# Altium PCB Enigma Rev A.PcbDoc (part 2 of 7) (continued)
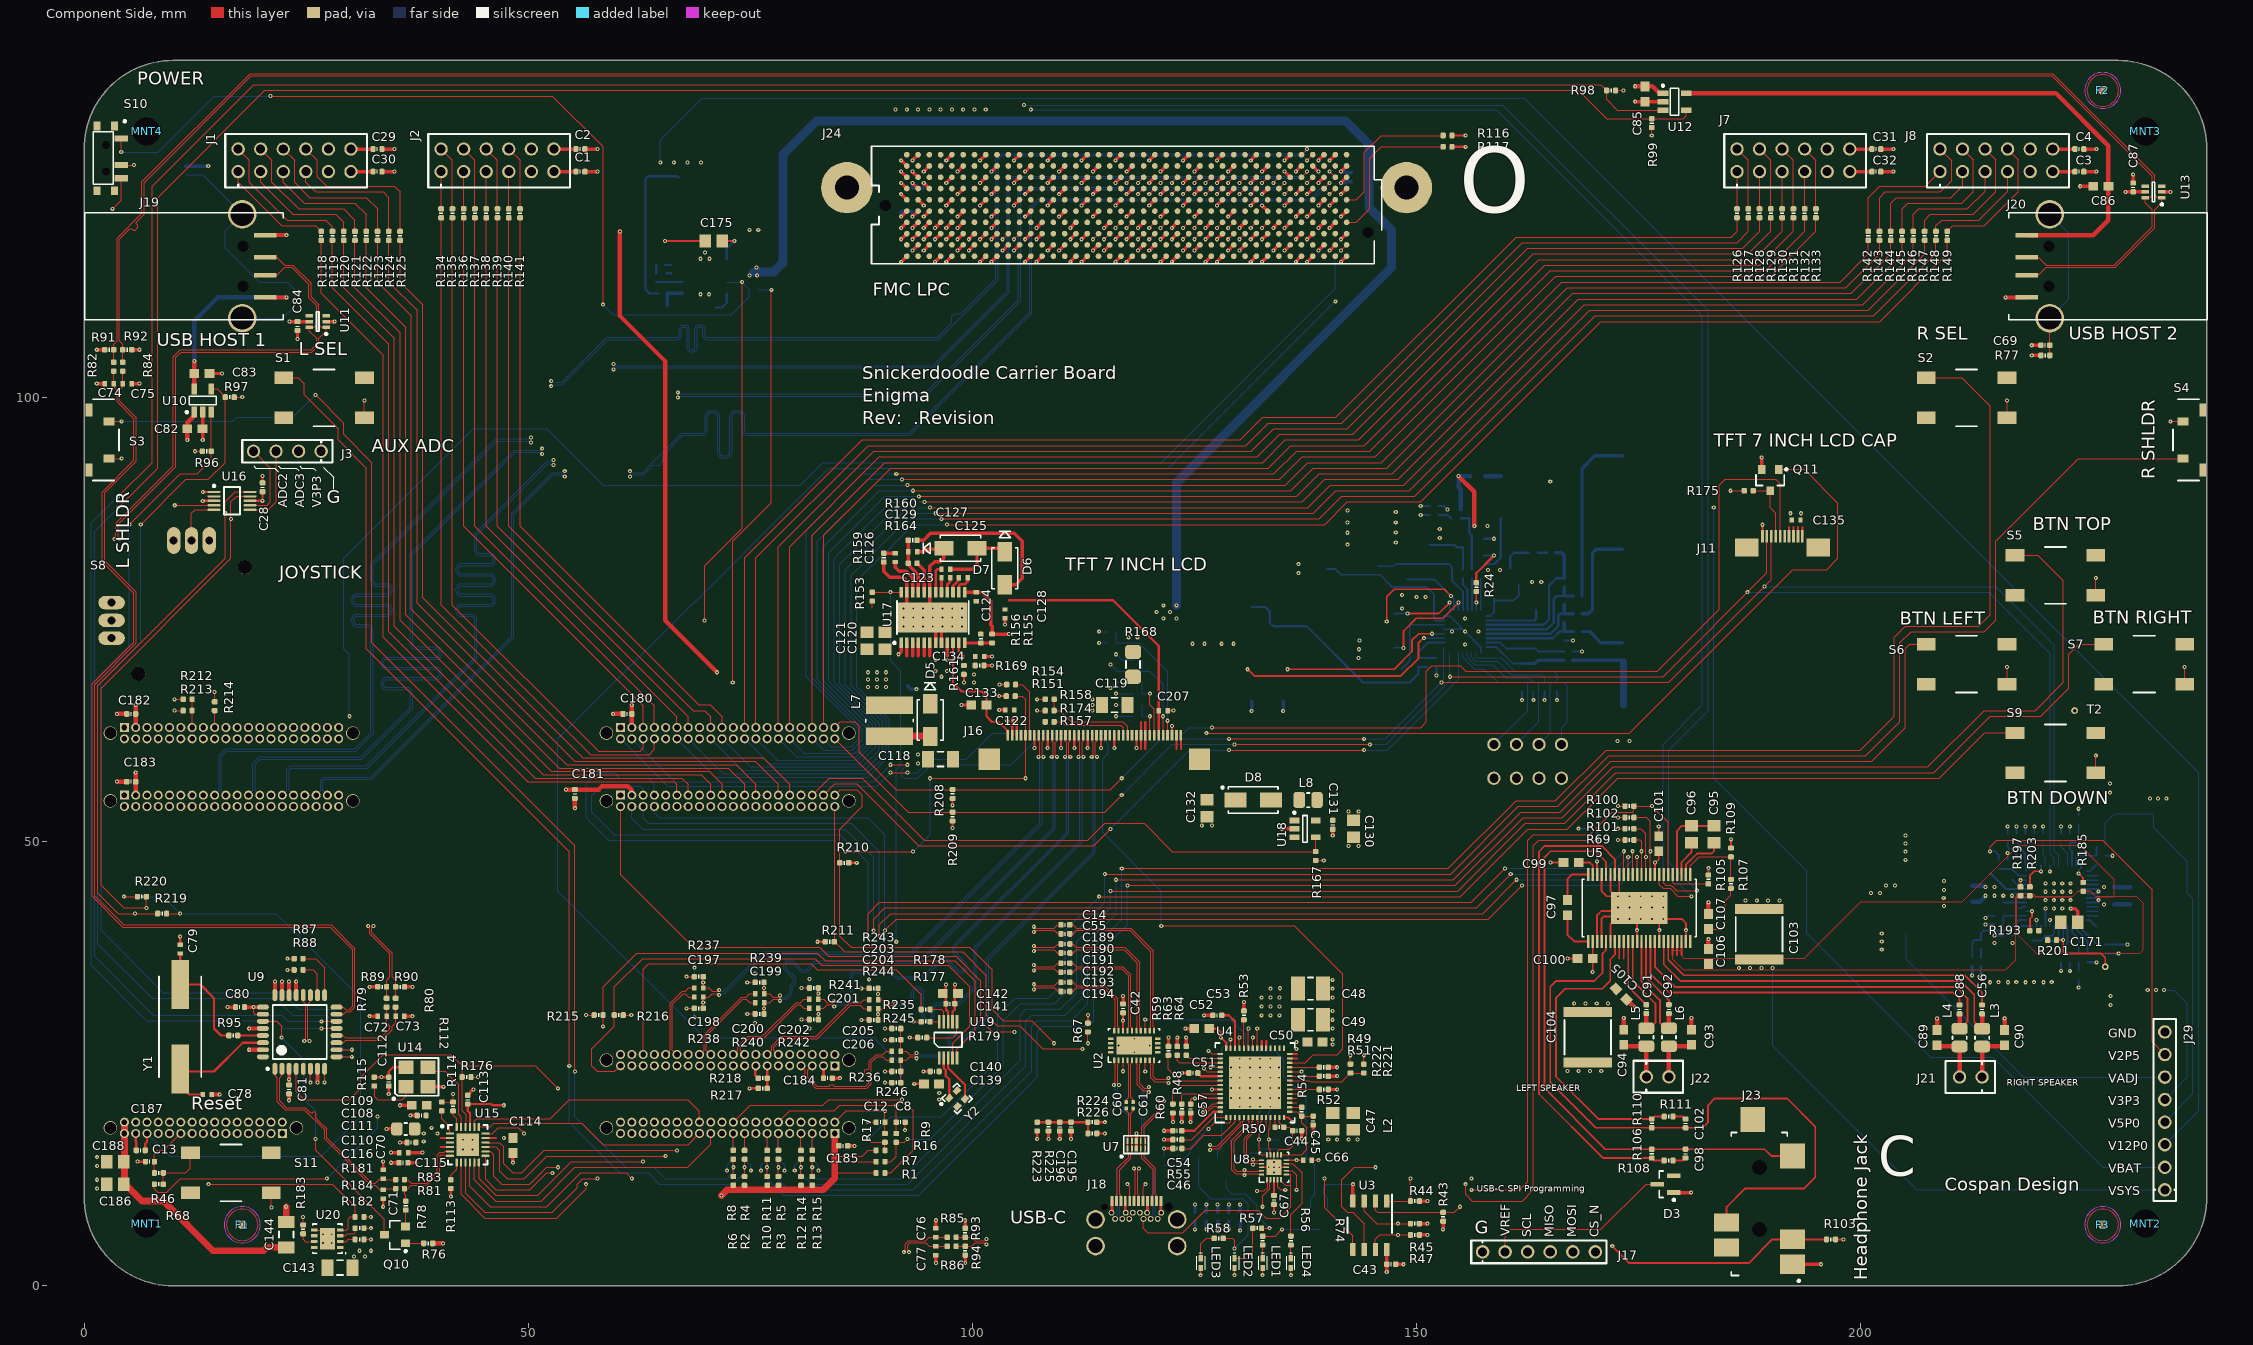
[diagram p0: Component Side view]
## Footprints (in the part's own frame and the unit in brackets; to place one, negate y for a bottom-side part, rotate by r counter-clockwise, add the part's x,y. Pads: shape width x height; smd on the part's side, far side on the other; paste and mask are expansions set on the pad) (continued)
  silkscreen extent -0.83,-1.55 0.82,1.55
SMA [mil]
  rect 86x64 smd: 1(-73,0) 2(73,0)
  silkscreen extent -165,-58 91,58
"SOIC-8 - TI" [mm]
  rrect17% 1.45x0.6 smd: 1(-2.725,1.905) 2(-2.725,0.635) 3(-2.725,-0.635) 4(-2.725,-1.905) 5(2.725,-1.905) 6(2.725,-0.635) 7(2.725,0.635) 8(2.725,1.905)
  silkscreen extent -3.5,-2.5 0.9,2.5
SON65P300X80_HS-9N [mm] "SON, 8-Leads, Body 3.00x3.00mm, Pitch 0.65mm, Thermal Pad 2.40x1.70mm, IPC Medium Density"
  rect 0.75x0.35 smd mask+0: 1(-1.465,0.975) 2(-1.465,0.325) 3(-1.465,-0.325) 4(-1.465,-0.975) 5(1.465,-0.975) 6(1.465,-0.325) 7(1.465,0.325) 8(1.465,0.975)
  rect 1.7x2.4 smd mask+0: 9(0,0)
  silkscreen extent -2.1,-1.65 1.65,1.7
SOT23 [mm] "SOT23, 3-Leads, Body 3.0x2.6mm (max), Pitch 0.95mm, IPC Medium Density"
  rect 1.55x0.55 smd: 1(-0.925,0.95) 2(-0.925,-0.95) 3(0.925,0)
  silkscreen extent -1.05,-1.5 0.7,1.9
SOT95P280X90-5N [mm] "SOT23, 5-Leads, Body 3.0x2.8mm (max), Pitch 0.95mm, IPC Medium Density"
  rect 1.22x0.6 smd: 1(-1.31,0.95) 2(-1.31,0) 3(-1.31,-0.95) 4(1.31,-0.95) 5(1.31,0.95)
  silkscreen extent -1.43,-1.5 0.48,1.92
SOT-23A [mm] "SOT-23; 3 Leads; Body 3.1 x 2.5 mm, inc. leads (LxW max)"
  rect 0.85x1 smd: 1(0.95,1.2) 2(-0.95,1.2) 3(0,-1.2)
  silkscreen extent -1.6,-0.6 1.95,1.33
SRN6045 [mm]
  rect 2x6 smd: 1(-2.15,0) 2(2.15,0)
  silkscreen extent -0.82,-3 0.82,3
TACTILE_1571563_2 [mm] "SWITCH TACTILE SPST-NO 0.05A 24V"
  rect 2.1x1.4 smd: 1(-4.55,2.25) 2(4.55,2.25) 3(-4.55,-2.25) 4(4.55,-2.25)
  silkscreen extent -1.2,-3.2 1.2,3.2
TestPointSmall [mil]
  round 30 hole 15 mask+0: 1(0,0)
TFM11501-X-D-A [mil]
  rect 40x40 / inner round 25 / far side rect 40x40 hole 25 paste+10: 1(-350,-25)
  round 40 / inner round 25 / far side round 40 hole 25 paste+10: 2(-350,25) 3(-300,-25) 4(-300,25) 5(-250,-25) 6(-250,25) 7(-200,-25) 8(-200,25) 9(-150,-25) 10(-150,25) 11(-100,-25) 12(-100,25) 13(-50,-25) 14(-50,25) 15(0,-25) 16(0,25) 17(50,-25) 18(50,25) 19(100,-25) 20(100,25) 21(150,-25) 22(150,25) 23(200,-25) 24(200,25) 25(250,-25) 26(250,25) 27(300,-25) 28(300,25) 29(350,-25) 30(350,25)
  round 53 / inner round 60 / far side round 60 hole 53: 41(-412.58,0) 42(412.58,0)
  silkscreen extent -387,-67 387,87
TFM12001-X-D-A [mil]
  rect 40x40 / inner round 25 / far side rect 40x40 hole 25 paste+10: 1(-475,-25)
  round 40 / inner round 25 / far side round 40 hole 25 paste+10: 2(-475,25) 3(-425,-25) 4(-425,25) 5(-375,-25) 6(-375,25) 7(-325,-25) 8(-325,25) 9(-275,-25) 10(-275,25) 11(-225,-25) 12(-225,25) 13(-175,-25) 14(-175,25) 15(-125,-25) 16(-125,25) 17(-75,-25) 18(-75,25) 19(-25,-25) 20(-25,25) 21(25,-25) 22(25,25) 23(75,-25) 24(75,25) 25(125,-25) 26(125,25) 27(175,-25) 28(175,25) 29(225,-25) 30(225,25) 31(275,-25) 32(275,25) 33(325,-25) 34(325,25) 35(375,-25) 36(375,25) 37(425,-25) 38(425,25) 39(475,-25) 40(475,25)
  round 53 / inner round 60 / far side round 60 hole 53: 41(-537.58,0) 42(537.58,0)
  silkscreen extent -512,-67 512,87
TI-DGS10_L [mm] "SOP, 10-Leads, Body 3.1x3.1mm, Pitch 0.5mm, IPC High Density"
  oval 1.45x0.25 smd mask+0: 1(-2.025,1) 2(-2.025,0.5) 3(-2.025,0) 4(-2.025,-0.5) 5(-2.025,-1) 6(2.025,-1) 7(2.025,-0.5) 8(2.025,0) 9(2.025,0.5) 10(2.025,1)
  silkscreen extent -2.15,-1.55 0.9,1.8
TL3330AF130QG [mm] "SWITCH TACTILE SPST-NO 0.05A 12V"
  rect 0.9x1.27 smd: 1(-2.1,0.86) 2(2.1,0.86)
  rect 1.45x0.8 smd: M(-3.375,-1.4) M(3.375,-1.4)
  silkscreen extent -4.57,-0.95 4.57,2
TVS_DIODE_USB3.0-10 [mm] "USB3.0_TVS_ARRAY"
  rect 0.675x0.2 smd mask+0: 1(-0.437,1) 2(-0.437,0.5) 4(-0.437,-0.5) 5(-0.437,-1) 6(0.437,-1) 7(0.437,-0.5) 9(0.437,0.5) 10(0.437,1)
  rect 0.675x0.4 smd mask+0: 3(-0.437,0) 8(0.437,0)
  silkscreen extent -1.45,-1.38 1,1.8
USB_A [mm] "USB A Male"
  rect 0.5x2.5 smd: 1(3.5,2.6) 2(1,2.6) 3(-1,2.6) 4(-3.5,2.6)
  round 3.2 hole 2.6: S1(-5.85,0) S2(5.85,0)
  round 0 hole 1.25 unplated: ""(-2.25,0.075) ""(2.25,0.075)
  silkscreen extent -6.05,-17.75 6.05,4.6
VF32_L [mm] "Thin QFP, 32-Leads, Body 7x7mm, Pitch 0.8mm, IPC High Density"
  oval 1.35x0.55 smd mask+0: 1(-4.15,2.8) 2(-4.15,2) 3(-4.15,1.2) 4(-4.15,0.4) 5(-4.15,-0.4) 6(-4.15,-1.2) 7(-4.15,-2) 8(-4.15,-2.8) 17(4.15,-2.8) 18(4.15,-2) 19(4.15,-1.2) 20(4.15,-0.4) 21(4.15,0.4) 22(4.15,1.2) 23(4.15,2) 24(4.15,2.8)
  oval 0.55x1.35 smd mask+0: 9(-2.8,-4.15) 10(-2,-4.15) 11(-1.2,-4.15) 12(-0.4,-4.15) 13(0.4,-4.15) 14(1.2,-4.15) 15(2,-4.15) 16(2.8,-4.15) 25(2.8,4.15) 26(2,4.15) 27(1.2,4.15) 28(0.4,4.15) 29(-0.4,4.15) 30(-1.2,4.15) 31(-2,4.15) 32(-2.8,4.15)
  silkscreen extent -4.27,-3.05 3.05,3.75
XTAL_2.0X1.6MM [mm] "UU_XTAL_2.0X1.6MMsity"
  rect 0.65x0.8 smd mask+0: 1(-0.65,-0.6) 2(0.65,-0.6) 3(0.65,0.6) 4(-0.65,0.6)
  silkscreen extent -1.23,-1.82 1.23,1.2

## Part data
C1 C2 C3 C4 C5 C6 C7 C8 C9 C10 C11 C12 C13 C14 C17 C20 C21 C24 C28 C29 C30 C31 C32 C42 C43 C55 C67 C81 C84 C87 C108 C110 C112 C113 C115 C122 C131 C135 C140 C141 C145 C151 C157 C163 C180 C181 C182 C183 C184 C185 C187 C189 C190 C191 C192 C193 C194 C196 C197 C198 C199 C200 C201 C202 C203 C204 C205 C206: library part C_0402_0.1UF_16V, "CAP CER .10UF 16V X7R 0402"
C15 C16 C25 C33 C39 C40 C41 C105 C106: "CAP CER 0.1UF 50V X7R 0603"
C19 C22 C47 C95 C96: library part C_0805_1.0uF_50V, "CAP CER 1UF 50V X7R 0805"
C23 C116: "CAP CER 2.2UF 35V 20% X5R 0402"
C26 C27 C36 C37 C118 C119 C143 C144: library part C_1206_10UF_25V, "CAP CER 10UF 25V X5R 1206"
C34: library part C_0402_100PF, "CAP CER 100PF 50V 5% C0G 0402"
C35: "1.5µF ±10% 25V Ceramic Capacitor X7R 0805 (2012 Metric)"
C38 C70 C71 C72 C73 C74 C75 C76 C77 C78 C79: library part C_0402_22PF_50V, "CAP CER 22PF 50V NP0 0402"
C44 C45 C98 C102: library part C_0402_220PF_50V, "CAP CER 220PF 50V 10% X7R 0402"
C46 C56 C88 C91 C92 C123 C124 C125 C129 C207: "CAP CER 0.22UF 50V X5R 0402"
C48 C49: library part C_1210_22µF, "CAP CER 22UF 25V 20% X5R 1210"
C50 C109 C114 C139 C142: library part C_0603_4.7uF_10V, "CAP CER 4.7UF 10V X5R 0603"
C51 C57 C66 C136 C137 C138 C195: library part C_0402_1.0UF_16V, "CAP CER 1.0UF 16V X5R 0402"
C52: "CAP CER 10UF 16V X5R 0603"
C53 C54: library part C_0402_2.2UF, "CAP CER 2.2UF 6.3V X5R 0402"
C58 C59 C60 C61: library part C_0201_0.1UF, "CAP CER 0.1UF 6.3V 10% X5R 0201"
C62 C63 C64 C65 C68 C69: library part C_0402_10000PF_50V, "CAP CERAMIC .01UF 50V X7R 0402"
C80 C126 C134: library part C_0402_1000PF_50V, "CAP CER 1000PF 50V C0G 0402"
C82 C83 C85 C86 C97 C99 C100 C101 C107: library part C_0603_1.0uF_16V, "CAP CER 1UF 16V 10% X7R 0603"
C89 C90 C93 C94: "CAP CER 0.68UF 25V X5R 0603"
C103 C104: library part C_2220_10UF_50V, "CAP CER 10UF 50V X7R 20% 2220"
C111: library part C_0805_10UF_10V, "CAP CER 10UF 10V 10% X5R 0805"
C117: library part C_0402_6.8PF_50V, "CAP CER 6.8PF 50V NP0 0402"
C120 C121 C147 C153 C159 C165: library part C_0805_10UF_16V, "CAP CER 10uF 16V X5R 20% 0805"
C127 C128: library part C_0402_0.022UF, "CAP CER 22000PF 16V X7R 0402"
C130: library part C_0805_10UF_6.3V, "CAP CER 10UF 6.3V X7R 10% 0805"
C133: "CAP CER 1UF 16V X7R 0603"
C146 C152 C158 C164 C169 C170 C174 C186 C188: "CAP CER 22UF 35V X5R 0805"
C149 C155: "CAP CER 36PF 50V NP0 0402"
C150 C156 C162 C168: "CAP CER 0.068UF 25V X7R 0402"
C161: library part C_0402_12PF_50V, "CAP CER 12PF 50V 5% C0G 0402"
C167: library part C_0402_47p_50V, "CAP CER 47PF 50V 5% C0G 0402"
C171 C172 C173 C176: library part C_0805_4.7µF_25V, "CAP CER 4.7UF 25V 10% X5R 0805"
C175: library part C_0805_0.1uF_25V, "CAP CER 1UF 50V X7R 0805"
C177: library part C_0402_82PF_50V, "CAP CER 82PF 50V 5% C0G 0402"
C178: library part C_0402_8.2PF_50V, "CAP CER 8.2PF 50V NP0 0402"
C179: "CAP CER 3900PF 50V X7R 0402"
D1 D2: library part D_SCHOTT_BAT54, "DIODE SCHOTTKY 30V 200MA SOT-23"
D3: library part D_SCHOTTKY_40V_SOT23, "DIODE SCHOTTKY 40V 500MA SOT23-3"
D4: "Diode Schottky 30V 2A (DC) Surface Mount 2-DSN (1.6x.80)"
D5 D6 D7: "DIODE SCHOTTKY 40V 3A SMA"
D8: library part D_SCHOTT_B1100-13-F, "DIODE SCHOTTKY 100V 1A SMA"
D9: "SCHOTTKY RECT 40V 1A SOD123F"
F1 F2 F3: library part F_FUDICIAL
J1 J2 J7 J8: library part J_PMOD, "CONN FEMALE 12POS DL .1\" R/A TIN"
J3 J9 J28: "CONN HEADER .100\" 4POS TIN PCB"
J11: "CONN FFC BOTTOM 10POS 0.50MM R/A"
J12 J13 J14 J15: "CONN HEADER PH SIDE 2POS 2MM SMD"
J16: "CONN FPC BOTTOM 40POS 0.50MM R/A"
J17: "CONN HEADER .100\" 12POS TIN PCB"
J18: "CONN RCPT USB C TOP MNT HYBRID"
J19 J20: "CONN PLUG USB A 4POS SMD R/A"
J21 J22: "CONN HEADER .100\" 2POS TIN PCB"
J23: library part J_HEADPHONE_JACK, "CONN AUDIO JACK 3.5MM 4COND SMD"
J24: library part J_ASP-134486-01, "CONN SNGL-END ARRAY FMALE 400POS"
J29: library part J_HDR1X8_THRHOLE_VERT_FEMALE, "CONN HEADER FEMALE 8POS .1\" TIN"
L1: "2.2µH Shielded Molded Inductor 5A 37.7 mOhm Max"
L2: "FERRITE BEAD 21 OHM 0805 1LN"
L3 L4 L5 L6 L8: library part L_0806_22uH, "INDUCTOR 22UH 10% 0806 SMD"
L7: library part L_4.70UH_1.72A_SMD, "INDUCTOR POWER 4.7UH 1.72A SMD"
L9 L10 L11 L12: "FIXED IND 4.7UH 5A 41 MOHM SMD"
L13: "FIXED IND 15UH 1.9A 95.8 MOHM"
LED1: "LED 1X0.5MM 570NM GN WTR CLR SMD"
LED2: "LED 1X0.5MM 470NM BL WTR CLR SMD"
LED3: "LED 1X0.5MM 601NM ORN WTRCLR SMD"
LED4: "LED 1X0.5MM 630NM RD WTR CLR SMD"
MNT1 MNT2 MNT3 MNT4: library part MNT_440_HOLE
Q1 Q2 Q4 Q5 Q6: library part Q_N-CH_8SON_60A_9.5mOHM, "MOSFET N-CH 25V 60A 8-SON"
Q3 Q7 Q8 Q9 Q11: library part Q_NFET_3.50A_SOT23, "MOSFET N-CH 20V 3.5A SOT23-3"
Q10: library part Q_NPN_40MA_HFE_1000, "TRANS NPN 40V 50MA MINI3"
R1 R4 R5 R8 R9 R11 R14 R15 R17 R24 R46 R62 R63 R64 R67 R69 R70 R73 R87 R88 R100 R101 R102 R103 R104 R105 R106 R110 R116 R117 R151 R153 R154 R157 R167 R175 R176 R180 R181 R185 R189 R193 R197 R201 R203 R204 R212 R213 R214 R217 R218 R221 R222 R227 R228 R229 R230 R231 R232 R233 R234 R235 R236 R237 R238 R239 R240 R241 R242 R243 R244 R245 R246: "RES 10.0K OHM 1/16W 1% 0402 SMD"
R2 R3 R6 R7 R10 R12 R13 R16 R60 R68 R113 R115 R163 R165 R166 R173 R174 R182 R183: "RES SMD 100K OHM 1% 1/16W 0402"
R18 R19 R26: "RES SMD 10M OHM 1% 1/16W 0402"
R20: "RES 10.0 OHM 1/16W 1% 0402 SMD"
R21 R25 R29 R31: "RES 100 OHM 1/16W 1% 0402 SMD"
R22 R23 R30: library part R_0402_5.11K, "RES 5.11K OHM 1/10W 1% 0402 SMD"
R27: "RES 100K OHM 1/16W 1% 0402 SMD"
R28: library part R_0402_1.00, "RES 1.00 OHM 1/16W 1% 0402 SMD"
R32: "RES SMD 10 OHM 1% 1/4W 1206"
R33 R35 R50 R54 R112: library part R_0402_0.00, "RES SMD 0.0OHM JUMPER 1/10W 0402"
R34: "RES SMD 0.005 OHM 1% 1W 1206"
R36: library part R_0.010SENSE_LK20, "RES SMD 0.01 OHM 1% 2W 1224"
R37: "RES SMD 330K OHM 1% 1/16W 0402"
R38 R39 R40 R41: "NTC Thermistor 10k 0402 (1005 Metric)"
R42: "RES SMD 26.1K OHM 1% 1/16W 0402"
R43 R44 R45 R47 R59: library part R_0402_3.3K, "RES 3.30K OHM 1/10W 1% 0402 SM"
R48 R76 R78 R89 R90 R91 R92 R93 R94 R95 R97 R99 R159: "RES 15.0K OHM 1/10W 1% 0402 SMD"
R49 R51 R52 R53 R55 R61 R65 R66 R71 R72 R75 R77: library part R_0402_1.0M, "RES 1.00M OHM 1/16W 1% 0402 SMD"
R56 R57 R58 R74 R96 R98 R158 R162 R170 R171 R172: library part R_0402_1.0K, "RES 1.00K OHM 1/16W 1% 0402 SMD"
R79 R80 R81 R82 R83 R84 R85 R86: "RES SMD 30 OHM 1% 1/10W 0402"
R107: "RES 68.1K OHM 1/10W 1% 0402 SMD"
R108 R111 R152: library part R_0402_5.6K, "RES 5.60K OHM 1/10W 1% 0402 SMD"
R109: library part R_0402_18.0K, "RES SMD 18K OHM 1% 1/16W 0402"
R114: "RES 8.06K OHM 1/16W 1% 0402 SMD"
R118 R119 R120 R121 R122 R123 R124 R125 R126 R127 R128 R129 R130 R131 R132 R133 R134 R135 R136 R137 R138 R139 R140 R141 R142 R143 R144 R145 R146 R147 R148 R149: "RES 200 OHM 1/10W 1% 0402 SMD"
R150 R164: "RES SMD 41.2K OHM 1% 1/16W 0402"
R155: "Res Thick Film 0402 68K Ohm 1% 0.1W(1/10W) ±100ppm/°C Molded SMD Automotive Punched T/R"
R156: "RES 49.9K OHM 1/16W 1% 0402 SMD"
R160: "RES 200K OHM 1/16W 1% 0402 SMD"
R161: "RES SMD 732K OHM 1% 1/16W 0402"
R168: "RES SMD 2 OHM 1% 1/4W 1206"
R169: "RES SMD 499K OHM 1% 1/16W 0402"
R177 R178 R179: "RES 33.0 OHM 1/16W 1% 0402 SMD"
R184: library part R_0402_110K, "RES 110K OHM 1/10W 1% 0402 SMD"
R186: "RES SMD 9.53K OHM 1% 1/16W 0402"
R187: "RES SMD 118K OHM 1% 1/16W 0402"
R188 R192 R196 R200: "RES 22.0K OHM 1/10W 1% 0402 SMD"
R190: "RES SMD 6.49K OHM 1% 1/16W 0402"
R191: "RES 69.8K OHM 1/16W 1% 0402 SMD"
R194 R198 R205: "RES SMD 10.2K OHM 1% 1/16W 0402"
R195: "RES 36.0K OHM 1/10W 1% 0402 SMD"
R199: "RES 47.0K OHM 1/10W 1% 0402 SMD"
R206: "RES SMD 732 OHM 1% 1/16W 0402"
R207: "RES 7.87K OHM 1/16W 1% 0402 SMD"
R208 R209 R210 R211 R215 R216 R219 R220: library part R_0402_2.2K, "RES 2.20K OHM 1/10W 1% 0402 SMD"
R223: "RES SMD 2.2K OHM 1% 1/10W 0402"
R224 R226: "RES 49.9 OHM 1/16W 1% 0402 SMD"
R225: library part R_0402_1.5K, "RES 1.50K OHM 1/10W 1% 0402 SMD"
S1 S2 S5 S6 S7 S9 S11: "SWITCH TACTILE SPST-NO 0.05A 24V"
S3 S4: "SWITCH TACTILE SPST-NO 0.05A 12V"
S10: library part S_MICRO_SLIDE_SWITCH_ON_OFF, "SWITCH SLIDE SPDT 300MA 6V"
T1 T2: "OSCILLOSCOPE TEST POINT"
U1: "IC BATTERY MANAGER 32VQFN"
U2: "IC MUX/DEMUX 4CH TYPE C2 28WQFN"
U3: "3V, 8Mbit, Serial Flash Memory with Dual and Qual SPI, SOIC-8"
U4: library part U_TPS65981ABQWRWERQ1, "USB, Type-C Controller PMIC 56-QFN (8x8)"
U5: "IC AUDIO AMP DGTL D 48HTSSOP"
U6 U7: library part U_SP3010-04UTG, "TVS ARRAY ESD 4CH .45PF 8KV UDFN"
U8: "USB Type C Interface Protector: Short-to-VBUS Over Voltage and IEC 61000-4-2 ESD Protection, RUK0020B"
U9: "IC 2/3-PORT USB HUB 32-LQFP"
U10 U12: library part U_NCP361SNT1G, "IC USB POS OVP/OCP 5TSOP"
U11 U13: library part U_USB_TVS_SCV70, "TVS DIODE 5VWM 25VC SC70-6"
U14: "24MHz CMOS XO (Standard) Oscillator"
U15: "IC TXRX USB FLEXPWR 24QFN"
U16: "IC ADC 12BIT I2C W/REF 10-MSOP"
U17: "IC LCD SUPPLY TFT QUAD 24HTSSOP"
U18: "IC DRVR WT/OLED BCKLT SOT23-5"
U19: library part U_SI5351, "IC CLK GENERATOR 200MHZ 10MSOP"
U20: "IC LOAD SWITCH CURR LIMIT 8-MLP"
U21: "IC REG BUCK ADJ 4A/2A QD 48VQFN"
U22: "IC REG BUCK ADJ 3.5A 8SOPWRPAD"
Y1: library part Y_SMD_6.00MHZ_18PF, "CRYSTAL 6.0000MHZ 18PF SMD"
Y2: library part Y_XTAL_27MHZ_SMD, "XTAL 27.00 MHZ 6PF 150OHM 20PPM 2.0X1.6MM"

## Via types
v1: diameter 0.457, hole 0.203, Component Side to Solder Side, tented top, 1032 vias
v2: diameter 0.5, hole 0.2, Component Side to Solder Side, 55 vias
v3: diameter 0.457, hole 0.203, Component Side to Solder Side, 9 vias
v4: diameter 0.5, hole 0.2, Component Side to Solder Side, tented both sides, 6 vias

## Nets (pads, with @x,y where several pads share a name; then routed paths per layer and width w, separated by ;. In a path a pad name is that pad's centre, name@x,y a point inside that pad or via, vN(x,y) a via of type N, cw(c..) or ccw(c..) an arc to the next point about the centre after c; other vN are vias at no path point)
ACFET: R30.1 U1.29 | length 3.8
  Solder Side w0.203: R30.1@155.271,79.679 155.271,78.929 155.771,78.429 U1.29@155.771,76.079
ADC_READY: U16.2
ALERT: J5.37 U1.14 | length 85.7
  Component Side w0.127: J5.37@83.251,55.245 84.521,56.515 86.995,56.515 93.98,49.53 113.665,49.53 v1(115.57,51.435) ; v1(128.905,60.325) v1(144.145,60.325)
  Solder Side w0.127: v1(115.57,51.435) 124.46,60.325 v1(128.905,60.325) ; v1(144.145,60.325) 146.726,60.325 154.771,68.37 U1.14@154.771,71.279
AUDIO_GVDD: C107.2 R107.1 U5.48 | length 6.5
  Component Side w0.127: C107.2@182.908,40.167 184.305,40.167 184.813,40.675 184.813,43.342 185.448,43.977 R107.1@185.448,44.755
AUX_N: J5.12 R226.2 U4.55 | length 87.2
  Component Side w0.127: v1(126,19.531) 126,19.596 126.1,19.696 126.646,19.696 127.173,20.223 127.464,20.223 127.587,20.1 U4.55@127.95,20.1
  Component Side w0.254: R226.2@114.03,17.145 v1(114.935,17.145)
  Inner Layer 1 w0.127: v1(114.935,17.145) 115.443,17.653 116.691,17.653 117.199,18.161 121.17,18.161 122.705,19.696 125.835,19.696 v1(126,19.531)
  Inner Layer 2 w0.127: J5.12@66.741,53.975 67.249,53.467 67.249,47.962 74.063,41.148 93.218,41.148 102.743,31.623 102.743,22.882 107.972,17.653 114.427,17.653 v1(114.935,17.145)
AUX_P: J5.14 R224.1 U4.54 | length 86.8
  Component Side w0.127: v1(126,20.115) 126,20.05 126.1,19.95 126.541,19.95 127.068,20.477 127.464,20.477 127.587,20.6 U4.54@127.95,20.6
  Component Side w0.254: R224.1@114.03,18.415 v1(114.935,18.415)
  Inner Layer 1 w0.127: v1(114.935,18.415) 115.443,17.907 116.586,17.907 117.094,18.415 121.065,18.415 122.6,19.95 125.835,19.95 v1(126,20.115)
  Inner Layer 2 w0.127: J5.14@68.011,53.975 67.503,53.467 67.503,48.067 74.168,41.402 93.323,41.402 102.997,31.728 102.997,22.987 108.077,17.907 114.427,17.907 v1(114.935,18.415)
BTN_BOTTOM: C12.2 J26.2 R17.1 | length 8.7
  Component Side w0.127: J26.2@84.521,18.415 85.791,19.685 v1(90.17,19.685) C12.2@90.17,18.415 R17.1@90.17,17.145
BTN_LEFT: C10.2 J26.7 R14.1 | length 3.8
  Component Side w0.127: R14.1@80.711,15.24 J26.7@80.711,17.145
  Solder Side w0.127: C10.2@80.711,15.24 J26.7@80.711,17.145
BTN_LEFT_SEL: C5.2 J26.17 R4.1 | length 3.8
  Component Side w0.127: R4.1@74.361,15.24 J26.17@74.361,17.145
  Solder Side w0.127: C5.2@74.361,15.24 J26.17@74.361,17.145
BTN_LEFT_SHLDR: C7.2 J26.19 R8.1 | length 3.8
  Component Side w0.127: R8.1@73.091,15.24 J26.19@73.091,17.145
  Solder Side w0.127: C7.2@73.091,15.24 J26.19@73.091,17.145
BTN_RIGHT: C11.2 J26.5 R15.1 | length 3.8
  Component Side w0.127: R15.1@81.981,15.24 J26.5@81.981,17.145
  Solder Side w0.127: C11.2@81.981,15.24 J26.5@81.981,17.145
BTN_RIGHT_SEL: C6.2 J26.11 R5.1 | length 3.8
  Component Side w0.127: R5.1@78.171,15.24 J26.11@78.171,17.145
  Solder Side w0.127: C6.2@78.171,15.24 J26.11@78.171,17.145
BTN_RIGHT_SHLDR: C8.2 J26.12 R9.1 | length 17.2
  Component Side w0.127: J26.12@78.171,18.415 79.441,19.685 84.455,19.685 85.09,20.32 v1(91.44,20.32) C8.2@91.44,18.415 R9.1@91.44,17.145
BTN_TOP: C9.2 J26.13 R11.1 | length 3.8
  Component Side w0.127: R11.1@76.901,15.24 J26.13@76.901,17.145
  Solder Side w0.127: C9.2@76.901,15.24 J26.13@76.901,17.145
C_CC1: C44.2 R50.2 U4.13 U8.12 | length 6.5
  Component Side w0.127: U8.12@134.385,14.735 134.385,15.135 134.6,15.35 135.7,15.35 136.1,15.75 C44.2@136.1,17.45 135.7,17.85 R50.2@135.1,17.85 134.6,18.35 U4.13@134.6,18.95
C_CC2: C45.2 R54.2 U4.15 U8.11 | length 10
  Component Side w0.127: U8.11@134.785,14.735 137.085,14.735 137.7,15.35 137.7,17.762 137.1,18.362 R54.2@137.1,19.1 ; U4.15@135.75,19.6 136.55,19.6 137.05,19.1 R54.2@137.1,19.1 ; C45.2@138.4,19.1 R54.2@137.1,19.1
C_USB_B_N: J18.B7 U4.9 U8.16 | length 28.6
  Component Side w0.127: U8.16@132.585,14.135 132.222,14.135 132.148,14.062 131.8,14.062 v1(131.635,14.227) 131.47,14.062 131.188,14.062 130.9,14.35 130.9,16.468 132.477,18.045 132.477,18.464 132.6,18.587 U4.9@132.6,18.95
  Inner Layer 1 w0.127: J18.B7@118.087,8.215 118.36,8.488 118.36,9.148 116.586,10.922 116.586,13.313 117.335,14.062 131.47,14.062 v1(131.635,14.227)
C_USB_B_P: J18.B6 U4.8 U8.17 | length 28.6
  Component Side w0.127: U4.8@132.1,18.95 132.1,18.587 132.223,18.464 132.223,18.15 130.646,16.573 130.646,14.245 131.083,13.808 131.47,13.808 v1(131.635,13.643) 131.8,13.808 132.148,13.808 132.222,13.735 U8.17@132.585,13.735
  Inner Layer 1 w0.127: J18.B6@118.887,8.215 118.614,8.488 118.614,9.253 116.84,11.027 116.84,13.208 117.44,13.808 131.47,13.808 v1(131.635,13.643)
C_USB_T_N: J18.A7 U4.7 U8.19 | length 26.9
  Component Side w0.127: J18.A7@118.737,9.525 118.737,10.154 118.614,10.276 118.614,13.043 v1(118.779,13.208) ; U4.7@131.6,18.95 131.6,18.587 131.477,18.464 131.477,18.245 129.5,16.268 129.5,13.15 129.788,12.862 130.48,12.862 v1(130.645,13.027) 130.81,12.862 132.148,12.862 132.222,12.935 U8.19@132.585,12.935
  Inner Layer 1 w0.127: v1(118.779,13.208) 118.614,13.043 118.614,12.704 118.999,12.319 127.635,12.319 128.178,12.862 130.48,12.862 v1(130.645,13.027)
C_USB_T_P: J18.A6 U4.6 U8.20 | length 27.7
  Component Side w0.127: v1(118.195,13.208) 118.36,13.043 118.36,10.276 118.237,10.154 J18.A6@118.237,9.525 ; U4.6@131.1,18.95 131.1,18.587 131.223,18.464 131.223,18.35 129.246,16.373 129.246,13.045 129.683,12.608 130.48,12.608 v1(130.645,12.443) 130.81,12.608 132.148,12.608 132.222,12.535 U8.20@132.585,12.535
  Inner Layer 1 w0.127: v1(118.195,13.208) 118.36,13.043 118.36,12.599 118.819,12.139 118.894,12.065 127.74,12.065 127.815,12.139 128.283,12.608 130.48,12.608 v1(130.645,12.443)
CC1: J18.A5 U8.4 U8.7 | length 26.6
  Component Side w0.127: v1(117.475,11.43) 117.737,11.168 J18.A5@117.737,9.525 ; U8.4@134.385,11.935 134.385,11.157 134.747,10.795 v1(135.255,10.795) ; U8.7@135.385,12.935 136.036,12.935 136.525,12.446 v1(136.525,10.795)
  Inner Layer 1 w0.127: v1(117.475,11.43) 118.745,10.16 134.62,10.16 v1(135.255,10.795) v1(136.525,10.795)
CC2: J18.B5 U8.5 U8.6 | length 25.4
  Component Side w0.127: J18.B5@119.287,7.515 119.287,6.443 119.761,5.969 123.698,5.969 126.238,8.509 132.207,8.509 133.096,7.62 134.62,7.62 135.89,8.89 135.89,11.303 ; U8.5@134.785,11.935 134.785,11.773 135.255,11.303 135.89,11.303 ; U8.6@135.385,12.535 135.801,12.535 135.89,12.446 135.89,11.303
CLK0_M2C_N: J6.35 J24.H5 | length 173.9
  Component Side w0.127: J24.H5@137.081,124.841 v1(137.716,125.476)
  Inner Layer 1 w0.127: J6.35@26.101,62.865 26.609,63.373 26.609,65.786 26.609,75.794 26.609,77.724 cw(c27.181,77.724) 27.181,78.296 27.963,78.296 ccw(c27.963,78.626) 28.293,78.626 28.293,78.854 ccw(c27.963,78.854) 27.963,79.185 25.509,79.185 cw(c25.509,79.769) 24.925,79.769 24.925,79.997 cw(c25.509,79.997) 25.509,80.582 27.963,80.582 ccw(c27.963,80.912) 28.293,80.912 28.293,81.14 ccw(c27.963,81.14) 27.963,81.471 25.509,81.471 cw(c25.509,82.055) 24.925,82.055 24.925,82.283 cw(c25.509,82.283) 25.509,82.868 27.963,82.868 ccw(c27.963,83.198) 28.293,83.198 28.293,83.426 ccw(c27.963,83.426) 27.963,83.757 27.193,83.757 cw(c27.193,84.341) 26.609,84.341 26.609,86.404 43.837,103.632 59.436,103.632 v1(59.601,103.797)
  Solder Side w0.127: v1(59.601,103.797) 59.766,103.632 95.552,103.632 103.934,112.014 103.934,124.565 104.008,124.64 104.337,124.968 137.208,124.968 v1(137.716,125.476)
CLK0_M2C_P: J6.37 J24.H4 | length 173.9
  Component Side w0.127: v1(137.716,124.206) J24.H4@138.351,124.841
  Inner Layer 1 w0.127: J6.37@27.371,62.865 26.863,63.373 26.863,64.008 26.863,64.325 26.863,64.77 27.054,64.96 27.106,64.96 27.297,65.151 27.297,65.405 27.106,65.596 27.054,65.596 26.863,65.786 26.863,75.794 26.863,77.724 cw(c27.181,77.724) 27.181,78.042 27.963,78.042 ccw(c27.963,78.626) 28.547,78.626 28.547,78.854 ccw(c27.963,78.854) 27.963,79.439 25.509,79.439 cw(c25.509,79.769) 25.179,79.769 25.179,79.997 cw(c25.509,79.997) 25.509,80.328 27.963,80.328 ccw(c27.963,80.912) 28.547,80.912 28.547,81.14 ccw(c27.963,81.14) 27.963,81.725 25.509,81.725 cw(c25.509,82.055) 25.179,82.055 25.179,82.283 cw(c25.509,82.283) 25.509,82.614 27.963,82.614 ccw(c27.963,83.198) 28.547,83.198 28.547,83.426 ccw(c27.963,83.426) 27.963,84.01 27.193,84.01 cw(c27.193,84.341) 26.863,84.341 26.863,86.299 43.942,103.378 59.436,103.378 v1(59.601,103.213)
  Solder Side w0.127: v1(59.601,103.213) 59.766,103.378 95.657,103.378 104.188,111.909 104.188,124.46 104.442,124.714 137.208,124.714 v1(137.716,124.206)
CLK1_M2C_N: J10.35 J24.G3 | length 173.2
  Component Side w0.127: J24.G3@139.621,123.571 v1(140.256,124.206)
  Inner Layer 1 w0.127: v1(54.102,91.732) 54.267,91.567 61.303,91.567 v1(61.468,91.732)
  Solder Side w0.127: J10.35@26.101,55.245 26.609,55.753 26.609,56.94 26.946,57.277 32.28,57.277 48.133,73.13 48.133,86.995 52.705,91.567 53.975,91.567 54.102,91.694 v1(54.102,91.732) ; v1(61.468,91.732) 61.468,91.694 61.595,91.567 62.865,91.567 63.902,92.604 64.971,93.673 67.31,96.012 69.552,96.012 ccw(c69.552,96.374) 69.913,96.374 69.913,97.936 cw(c70.529,97.936) 70.529,98.552 70.949,98.552 cw(c70.949,97.936) 71.564,97.936 71.564,93.834 ccw(c71.926,93.834) 71.926,93.472 72.346,93.472 ccw(c72.346,93.834) 72.707,93.834 72.707,97.936 cw(c73.323,97.936) 73.323,98.552 73.743,98.552 cw(c73.743,97.936) 74.358,97.936 74.358,96.374 ccw(c74.72,96.374) 74.72,96.012 92.837,96.012 106.474,109.649 106.474,121.39 107.512,122.428 138.119,122.428 139.389,123.698 139.748,123.698 v1(140.256,124.206)
CLK1_M2C_P: J10.37 J24.G2 | length 173.2
  Component Side w0.127: v1(140.256,122.936) J24.G2@140.891,123.571
  Inner Layer 1 w0.127: v1(54.102,91.148) 54.267,91.313 61.303,91.313 v1(61.468,91.148)
  Solder Side w0.127: J10.37@27.371,55.245 26.863,55.753 26.863,56.835 27.051,57.023 32.385,57.023 48.387,73.025 48.387,86.89 52.81,91.313 53.975,91.313 54.102,91.186 v1(54.102,91.148) ; v1(61.468,91.148) 61.468,91.186 61.595,91.313 62.97,91.313 64.081,92.424 64.738,92.424 65.151,92.837 65.151,93.494 67.415,95.758 69.552,95.758 ccw(c69.552,96.374) 70.167,96.374 70.167,97.936 cw(c70.529,97.936) 70.529,98.298 70.949,98.298 cw(c70.949,97.936) 71.31,97.936 71.31,93.834 ccw(c71.926,93.834) 71.926,93.218 72.346,93.218 ccw(c72.346,93.834) 72.961,93.834 72.961,97.936 cw(c73.323,97.936) 73.323,98.298 73.743,98.298 cw(c73.743,97.936) 74.104,97.936 74.104,96.374 ccw(c74.72,96.374) 74.72,95.758 92.942,95.758 106.728,109.544 106.728,121.285 107.617,122.174 138.224,122.174 139.494,123.444 139.748,123.444 v1(140.256,122.936)
CLK2_BIDIR_N: J6.38 J24.K5 | length 173.9
  Component Side w0.127: J24.K5@137.081,127.381 v1(137.716,128.016)
  Inner Layer 1 w0.127: J6.38@27.371,61.595 26.863,61.087 26.863,60.706 27.117,60.452 30.48,60.452 31.623,61.595 31.623,63.627 30.353,64.897 30.353,88.243 43.837,101.727 52.413,101.727 v1(52.578,101.892)
  Solder Side w0.127: v1(52.578,101.892) 52.743,101.727 53.743,101.727 58.823,106.807 66.764,106.807 ccw(c66.764,107.036) 66.992,107.036 66.992,107.706 cw(c67.475,107.706) 67.475,108.189 67.653,108.189 cw(c67.653,107.706) 68.135,107.706 68.135,105.654 ccw(c68.364,105.654) 68.364,105.425 68.542,105.425 ccw(c68.542,105.654) 68.77,105.654 68.77,107.706 cw(c69.253,107.706) 69.253,108.189 69.431,108.189 cw(c69.431,107.706) 69.913,107.706 69.913,107.036 ccw(c70.142,107.036) 70.142,106.807 96.06,106.807 97.711,108.458 97.711,109.141 98.044,109.474 98.727,109.474 102.664,113.411 102.664,126.978 102.738,127.053 103.194,127.508 137.208,127.508 v1(137.716,128.016)
CLK2_BIDIR_P: J6.36 J24.K4 | length 173.9
  Component Side w0.127: v1(137.716,126.746) J24.K4@138.351,127.381
  Inner Layer 1 w0.127: J6.36@26.101,61.595 26.609,61.087 26.609,60.601 27.012,60.198 30.585,60.198 31.803,61.415 31.877,61.49 31.877,63.732 31.803,63.807 30.607,65.002 30.607,88.138 43.942,101.473 52.413,101.473 v1(52.578,101.308)
  Solder Side w0.127: v1(52.578,101.308) 52.743,101.473 53.848,101.473 58.928,106.553 66.764,106.553 ccw(c66.764,107.036) 67.246,107.036 67.246,107.706 cw(c67.475,107.706) 67.475,107.935 67.653,107.935 cw(c67.653,107.706) 67.881,107.706 67.881,105.654 ccw(c68.364,105.654) 68.364,105.171 68.542,105.171 ccw(c68.542,105.654) 69.024,105.654 69.024,107.706 cw(c69.253,107.706) 69.253,107.935 69.431,107.935 cw(c69.431,107.706) 69.659,107.706 69.659,107.036 ccw(c70.142,107.036) 70.142,106.553 96.165,106.553 97.891,108.278 98.907,109.294 102.918,113.306 102.918,126.873 103.299,127.254 137.208,127.254 v1(137.716,126.746)
CLK3_BIDIR_N: J24.J3
CLK3_BIDIR_P: J24.J2
CLK_DIR: J6.4 J24.B1 | length 190.5
  Component Side w0.127: v1(141.526,116.586) J24.B1@142.161,117.221
  Inner Layer 2 w0.127: J6.4@5.781,61.595 4.511,60.325 3.175,60.325 1.778,61.722 1.778,64.643 3.175,66.04 6.985,66.04 8.89,64.135 v1(29.845,64.135)
  Solder Side w0.127: v1(29.845,64.135) 29.845,71.12 29.21,71.755 29.21,81.915 43.815,96.52 52.07,96.52 58.42,90.17 80.645,90.17 83.185,92.71 121.285,92.71 140.891,112.316 140.891,115.951 v1(141.526,116.586)
DP0_C2M_N: J24.C3
DP0_C2M_P: J24.C2
DP0_M2C_N: J24.C7
DP0_M2C_P: J24.C6
DP0PUR: Q10.3 U9.27 | length 30.6
  Component Side w0.127: U9.27@20.107,29.775 21.66,29.775 22.225,29.21 v1(22.225,27.94) ; v1(26.035,16.51) 26.035,15.24 33.782,7.493 Q10.3@33.782,5.715
  Solder Side w0.127: v1(22.225,27.94) 24.765,25.4 24.765,20.955 26.035,19.685 v1(26.035,16.51)
DP1_C2M_N: J24.A23
DP1_C2M_P: J24.A22